# Altium PCB Copy of PCB.PcbDoc (part 2 of 3) (continued)
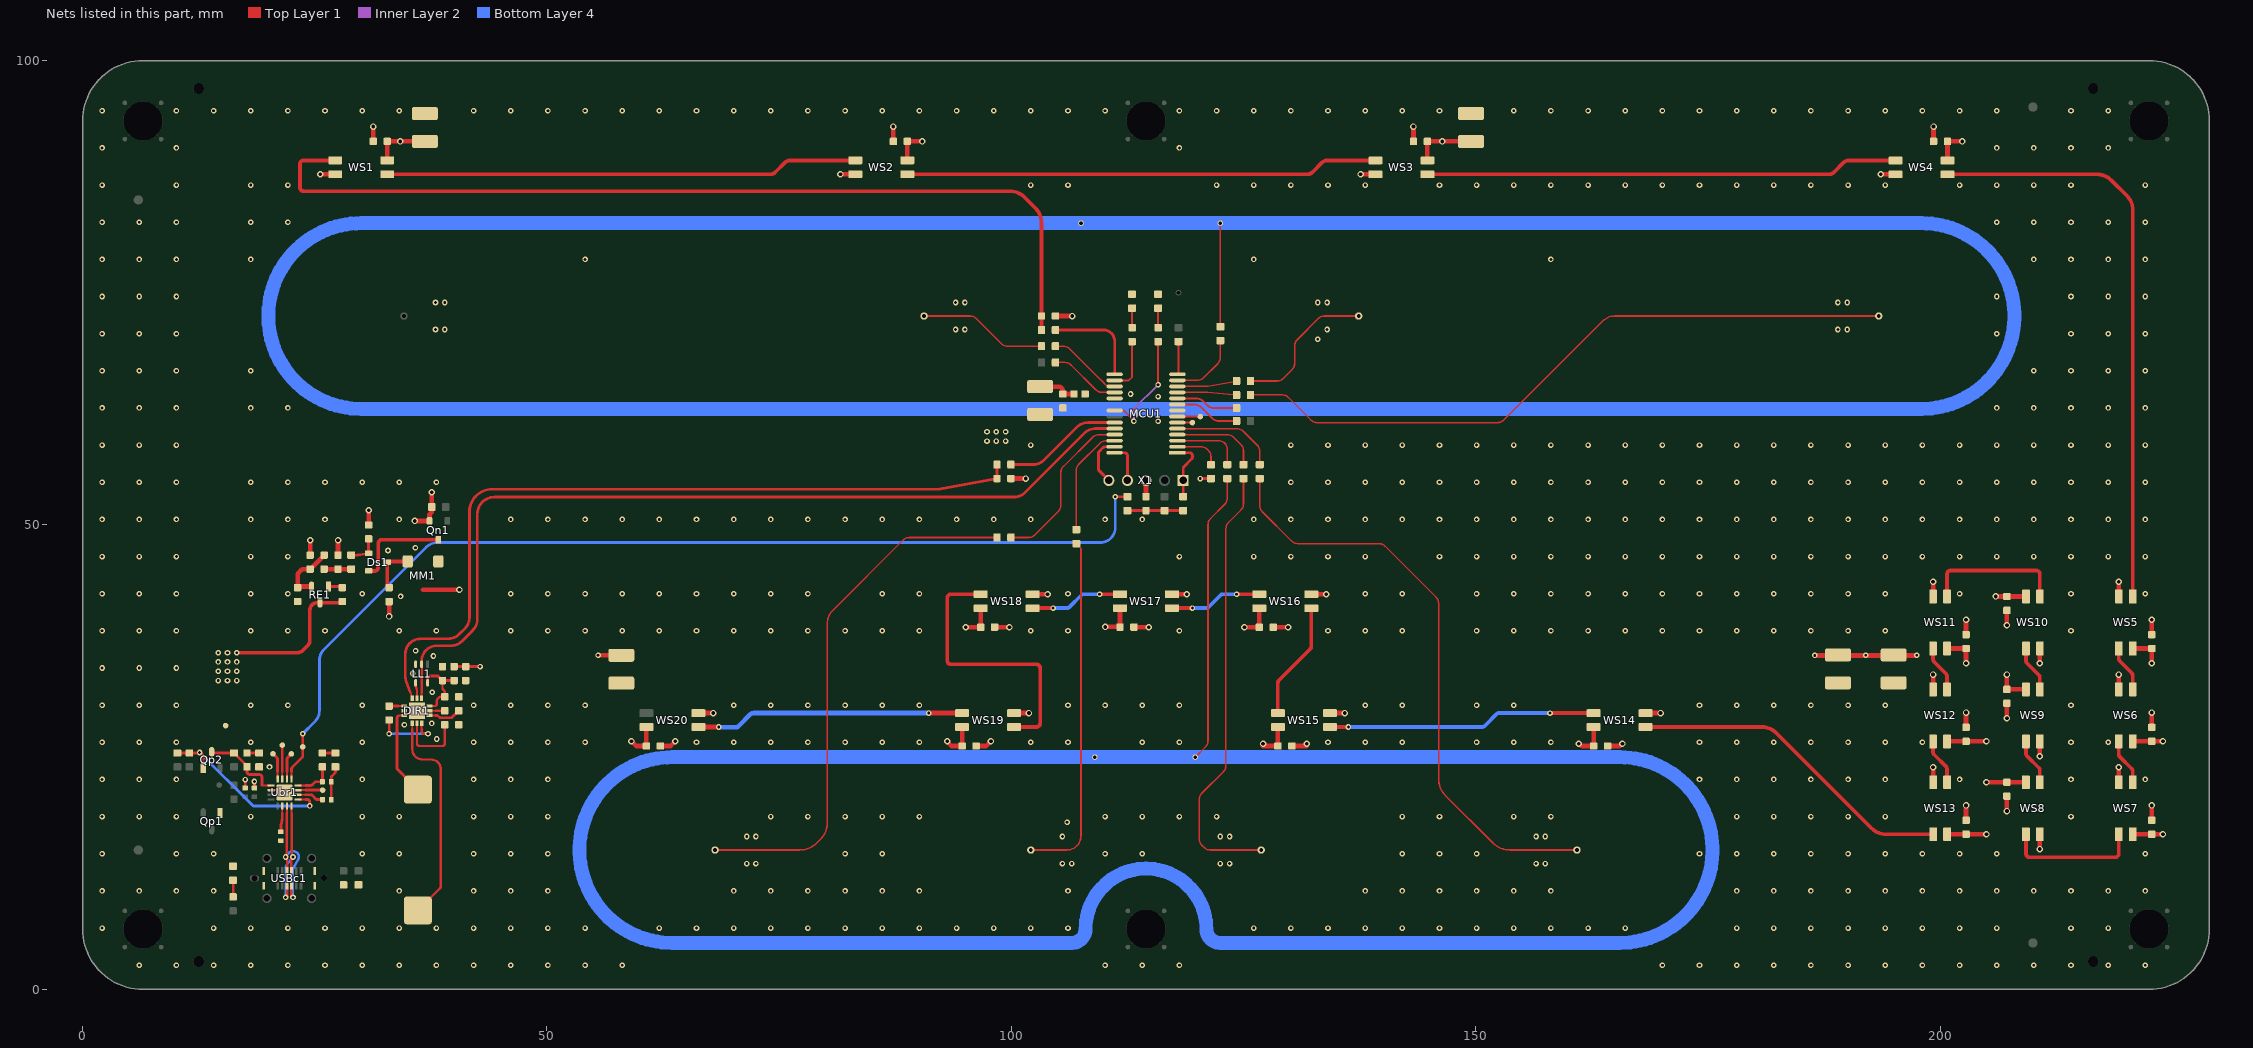
[diagram p4: the nets of this part, all layers, seen from the top]
## Nets (pads, with @x,y where several pads share a name; then routed paths per layer and width w, separated by ;. In a path a pad name is that pad's centre, name@x,y a point inside that pad or via, vN(x,y) a via of type N, cw(c..) or ccw(c..) an arc to the next point about the centre after c; other vN are vias at no path point) (continued)
  Bottom Layer 4 w0.266: v1(21.85,14.25) 22.149,14.637 cw(c22.65,14.25) 23.198,13.933 22.686,13.046 ccw(c22.916,12.913) 22.65,12.913 v1(22.65,9.9)
DA01: C23.2 R22.2 WS1.2 | length 99.9
  Top Layer 1 w0.4: WS1.2@27.2,89.25 23.8,89.25 ccw(c23.8,88.85) 23.4,88.85 23.4,86.344 ccw(c23.8,86.344) 23.8,85.944 99.845,85.944 cw(c99.845,83.744) 101.399,85.301 102.608,84.092 cw(c101.05,82.539) 103.25,82.539 103.25,72.7 R22.2@103.25,71
DA02: WS1.4 WS2.2 | length 51
  Top Layer 1 w0.4: WS1.4@32.8,87.75 74.019,87.75 ccw(c74.019,88.55) 74.583,87.983 75.617,89.017 cw(c76.181,88.45) 76.181,89.25 WS2.2@83.2,89.25
DA03: WS2.4 WS3.2 | length 51
  Top Layer 1 w0.4: WS2.4@88.8,87.75 131.855,87.75 ccw(c131.855,88.55) 132.419,87.983 133.453,89.017 cw(c134.017,88.45) 134.017,89.25 WS3.2@139.2,89.25
DA04: WS3.4 WS4.2 | length 51
  Top Layer 1 w0.4: WS3.4@144.8,87.75 188.019,87.75 ccw(c188.019,88.55) 188.583,87.983 189.617,89.017 cw(c190.181,88.45) 190.181,89.25 WS4.2@195.2,89.25
DA05: WS4.4 WS5.2 | length 63.5
  Top Layer 1 w0.4: WS4.4@200.8,87.75 216.912,87.75 cw(c216.912,85.55) 218.468,87.106 220.106,85.468 cw(c218.55,83.912) 220.75,83.912 WS5.2@220.75,42.3
DA06: WS5.4 WS6.2 | length 5
  Top Layer 1 w0.4: WS5.4@219.25,36.7 219.25,35.611 ccw(c219.65,35.611) 219.367,35.329 220.634,34.062 cw(c220.35,33.78) 220.75,33.78 WS6.2@220.75,32.3
DA07: WS6.4 WS7.2 | length 5
  Top Layer 1 w0.4: WS6.4@219.25,26.7 219.25,25.31 ccw(c219.65,25.31) 219.367,25.028 220.633,23.761 cw(c220.35,23.479) 220.75,23.479 WS7.2@220.75,22.3
DA08: WS7.4 WS8.2 | length 14.6
  Top Layer 1 w0.4: WS8.2@209.25,16.7 209.25,14.617 ccw(c209.65,14.617) 209.65,14.217 218.85,14.217 ccw(c218.85,14.617) 219.25,14.617 WS7.4@219.25,16.7
DA09: WS8.4 WS9.2 | length 5
  Top Layer 1 w0.4: WS9.2@209.25,26.7 209.25,25.407 ccw(c209.65,25.407) 209.367,25.124 210.633,23.858 cw(c210.35,23.575) 210.75,23.575 WS8.4@210.75,22.3
DA10: WS9.4 WS10.2 | length 5
  Top Layer 1 w0.4: WS10.2@209.25,36.7 209.25,35.39 ccw(c209.65,35.39) 209.367,35.107 210.633,33.841 cw(c210.35,33.558) 210.75,33.558 WS9.4@210.75,32.3
DA11: WS10.4 WS11.2 | length 15.3
  Top Layer 1 w0.4: WS11.2@200.75,42.3 200.75,44.7 cw(c201.15,44.7) 201.15,45.1 210.35,45.1 cw(c210.35,44.7) 210.75,44.7 WS10.4@210.75,42.3
DA12: WS11.4 WS12.2 | length 5
  Top Layer 1 w0.4: WS11.4@199.25,36.7 199.25,35.534 ccw(c199.65,35.534) 199.367,35.252 200.634,33.985 cw(c200.35,33.703) 200.75,33.703 WS12.2@200.75,32.3
DA13: WS12.4 WS13.2 | length 5
  Top Layer 1 w0.4: WS12.4@199.25,26.7 199.25,25.535 ccw(c199.65,25.535) 199.367,25.253 200.634,23.986 cw(c200.35,23.704) 200.75,23.704 WS13.2@200.75,22.3
DA14: WS13.4 WS14.2 | length 35.5
  Top Layer 1 w0.4: WS14.2@168.3,28.25 180.807,28.25 cw(c180.807,26.05) 182.362,27.606 192.624,17.344 ccw(c194.179,18.9) 194.179,16.7 WS13.4@199.25,16.7
DA15: WS14.4 WS15.2 | length 29
  Top Layer 1 w0.4: WS15.2@134.3,28.25 v1(136.3,28.25) ; v1(158,29.75) WS14.4@162.7,29.75
  Bottom Layer 4 w0.4: v1(136.3,28.25) 150.684,28.25 ccw(c150.684,28.65) 150.967,28.367 152.233,29.633 cw(c152.516,29.35) 152.516,29.75 v1(158,29.75)
DA16: WS15.4 WS16.2 | length 12.8
  Top Layer 1 w0.4: WS15.4@128.7,29.75 128.7,32.992 cw(c129.1,32.992) 128.817,33.274 132.183,36.641 ccw(c131.9,36.923) 132.3,36.923 WS16.2@132.3,41.05
DA17: WS16.4 WS17.2 | length 10
  Top Layer 1 w0.4: WS17.2@117.3,41.05 v1(119.5,41.05) ; v1(124.25,42.55) WS16.4@126.7,42.55
  Bottom Layer 4 w0.4: v1(119.5,41.05) 120.984,41.05 ccw(c120.984,41.45) 121.267,41.167 122.533,42.433 cw(c122.816,42.15) 122.816,42.55 v1(124.25,42.55)
DA18: WS17.4 WS18.2 | length 10
  Top Layer 1 w0.4: WS18.2@102.3,41.05 v1(104.5,41.05) ; v1(109.5,42.55) WS17.4@111.7,42.55
  Bottom Layer 4 w0.4: v1(104.5,41.05) 105.984,41.05 ccw(c105.984,41.45) 106.267,41.167 107.533,42.433 cw(c107.816,42.15) 107.816,42.55 v1(109.5,42.55)
DA19: WS18.4 WS19.2 | length 30
  Top Layer 1 w0.4: WS18.4@96.7,42.55 93.5,42.55 ccw(c93.5,42.15) 93.1,42.15 93.1,35.398 ccw(c93.5,35.4) 93.498,35 102.7,35 cw(c102.7,34.6) 103.1,34.6 103.1,28.65 cw(c102.7,28.65) 102.7,28.25 WS19.2@100.3,28.25
DA20: WS19.4 WS20.2 | length 29
  Top Layer 1 w0.5: WS20.2@66.3,28.25 v1(68.5,28.25) ; v1(91.1,29.75) WS19.4@94.7,29.75
  Bottom Layer 4 w0.5: v1(68.5,28.25) 70.314,28.227 70.315,28.227 ccw(c70.32,28.727) 70.673,28.373 71.904,29.604 cw(c72.257,29.25) 72.257,29.75 v1(91.1,29.75)
GATE: LD5.1 Qp2.1 R28.1 Ubr1.9 | length 20.2
  Top Layer 1 w0.2: Ubr1.9@23.2,20.45 24,20.45
  Top Layer 1 w0.3: R28.1@10.2,25.45 12.585,25.45 ccw(c12.585,25.75) v1@12.6,25.45 ; v1@12.712,25.45 12.898,25.264 cw(c12.685,25.052) 12.985,25.052 Qp2.1@12.985,23.823 ; 24,20.45 24.16,20.45 cw(c24.16,20.15) 24.46,20.152 v1(24.462,19.75)
  Bottom Layer 4 w0.3: v1(12.6,25.5) 18.263,19.837 ccw(c18.474,20.05) 18.474,19.75 19.5,19.75 24,19.75 v1(24.462,19.75)
GND: C1.1 C2.1 C3.1 C4.1 C5.2 C6.1 C7.1 C9.2 C10.1 C12.1 C13.1 C14.1 C15.1 C16.1 C17.1 C18.2 C19.2 C20.2 C21.2 C22.2 C23.1 C24.1 C25.1 C26.1 C27.1 C28.1 C29.1 C30.1 C31.1 C32.1 C33.1 C34.1 C35.1 C36.1 C37.1 C38.1 C39.1 C40.1 C41.1 C42.1 C43.1 C44.2 C45.2 C47.1 C48.1 DIR1.5 DIR1.13 LL1.3 MCU1.8 MCU1.19 MM1.3 Qn1.2 Qp1.1 R6.1 R14.1 R15.1 R21.1 R24.2 R26.1 R27.2 R29.1 R30.1 R31.2 RE1.1 Ubr1.2 Ubr1.17 USBc1.A1 USBc1.A12 USBc1.B1 USBc1.B12 WS1.1 WS2.1 WS3.1 WS4.1 WS5.1 WS6.1 WS7.1 WS8.1 WS9.1 WS10.1 WS11.1 WS12.1 WS13.1 WS14.1 WS15.1 WS16.1 WS17.1 WS18.1 WS19.1 WS20.1 X1.3 | length 94.3
  Top Layer 1 w0.2: Ubr1.2@20.3,21.45 21.5,21.45 Ubr1.17@21.75,21.2
  Top Layer 1 w0.3: C45.2@17.5,21.675 v1(17.5,22.588) ; C44.2@18.5,21.675 v1(18.5,22.375) ; RE1.1@26.486,43.379 27.837,43.379 C16.1@27.957,43.259 ; R27.2@26.775,20.435 26.775,22.773 cw(c27.075,22.773) 26.862,22.985 27.133,23.255 ccw(c26.92,23.467) 27.22,23.467 R26.1@27.22,23.95 ; v1(120.345,55) R6.1@121.5,55
  Top Layer 1 w0.5: C14.1@24.5,46.75 v2(24.5,48.35) ; v2(25.6,87.75) WS1.1@27.2,87.75 ; C13.1@27.5,46.75 v2(27.5,48.35) ; C12.1@30.8,50 v2(30.8,51.6) ; C24.1@31.3,91.3 v2(31.3,92.9) ; v2(33,40.15) C15.1@33,41.75 ; v2(35.75,50.435) Qn1.2@37.35,50.435 37.35,51.13 37.6,51.38 R21.1@37.6,51.925 v2(37.6,53.525) ; MM1.3@36.65,43.025 v2(40.576,43.025) ; C43.1@62.2,26.2 63.3,26.2 v2(63.8,26.7) ; WS20.1@66.3,29.75 v2(67.9,29.75) ; v2(81.6,87.75) WS2.1@83.2,87.75 ; C25.1@87.3,91.3 v2(87.3,92.9) ; C42.1@96.2,26.2 97.3,26.2 v2(97.8,26.7) ; C41.1@98.2,39 v2(99.8,39) ; C2.1@99.958,55 100.108,55 v2(101.55,55) ; WS19.1@100.3,29.75 v2(101.9,29.75) ; WS18.1@102.3,42.55 v2(103.9,42.55) ; C23.1@104.75,72.5 v2(106.55,72.5) ; C40.1@113.2,39 v2(114.8,39) ; C1.1@114.5,53.05 X1.3@114.5,54.8 ; WS17.1@117.3,42.55 v2(118.9,42.55) ; C39.1@128.2,39 v2(129.8,39) ; C38.1@130.2,26.2 v2@131.8,26.2 ; WS16.1@132.3,42.55 v2(133.9,42.55) ; WS15.1@134.3,29.75 v2(135.9,29.75) ; v2(137.6,87.75) WS3.1@139.2,87.75 ; C26.1@143.3,91.3 v2(143.3,92.9) ; C37.1@164.2,26.2 164.35,26.2 165.317,26.2 ccw(c165.317,26.883) v2@165.8,26.4 ; WS14.1@168.3,29.75 v2(169.9,29.75) ; v2(193.6,87.75) WS4.1@195.2,87.75 ; WS13.1@199.25,22.3 v2(199.25,23.9) ; WS12.1@199.25,32.3 v2(199.25,33.9) ; WS11.1@199.25,42.3 v2(199.25,43.9) ; C27.1@199.3,91.3 v2(199.3,92.9) ; C36.1@202.8,18.2 v2(202.8,19.8) ; C35.1@202.8,28.2 v2(202.8,29.8) ; C34.1@202.8,38.2 v2(202.8,39.8) ; v2(207.2,19.2) C31.1@207.2,20.8 ; v2(207.2,29.2) C32.1@207.2,30.8 ; v2(207.2,39.2) C33.1@207.2,40.8 ; v2(210.75,15.1) WS8.1@210.75,16.7 ; v2(210.75,25.1) WS9.1@210.75,26.7 ; v2(210.75,35.1) WS10.1@210.75,36.7 ; WS7.1@219.25,22.3 v2(219.25,23.9) ; WS6.1@219.25,32.3 v2(219.25,33.9) ; WS5.1@219.25,42.3 v2(219.25,43.9) ; C30.1@222.8,18.2 v2(222.8,19.8) ; C29.1@222.8,28.2 v2(222.8,29.8) ; C28.1@222.8,38.2 v2(222.8,39.8) ; v2@165.8,26.4 v2(165.8,26.45) v2@165.8,26.4
  other v1: 6.1,2.6 10.1,2.6 14.1,2.6 18.1,2.6 22.1,2.6 26.1,2.6 30.1,2.6 34.1,2.6 38.1,2.6 42.1,2.6 46.1,2.6 50.1,2.6 54.1,2.6 58.1,2.6 110.1,2.6 114.1,2.6 118.1,2.6 170.1,2.6 174.1,2.6 178.1,2.6 182.1,2.6 186.1,2.6 190.1,2.6 194.1,2.6 198.1,2.6 202.1,2.6 206.1,2.6 210.1,2.6 214.1,2.6 218.1,2.6 222.1,2.6 2.1,6.6 14.1,6.6 18.1,6.6 22.1,6.6 26.1,6.6 30.1,6.6 34.1,6.6 38.1,6.6 42.1,6.6 46.1,6.6 50.1,6.6 54.1,6.6 62.1,6.6 66.1,6.6 70.1,6.6 74.1,6.6 78.1,6.6 82.1,6.6 86.1,6.6 90.1,6.6 94.1,6.6 98.1,6.6 102.1,6.6 106.1,6.6 126.1,6.6 130.1,6.6 134.1,6.6 138.1,6.6 142.1,6.6 146.1,6.6 150.1,6.6 154.1,6.6 158.1,6.6 162.1,6.6 166.1,6.6 178.1,6.6 182.1,6.6 186.1,6.6 190.1,6.6 194.1,6.6 198.1,6.6 202.1,6.6 206.1,6.6 214.1,6.6 218.1,6.6 2.1,10.6 6.1,10.6 10.1,10.6 14.1,10.6 34.1,10.6 42.1,10.6 46.1,10.6 50.1,10.6 70.1,10.6 74.1,10.6 78.1,10.6 82.1,10.6 86.1,10.6 90.1,10.6 106.1,10.6 138.1,10.6 142.1,10.6 146.1,10.6 150.1,10.6 154.1,10.6 158.1,10.6 178.1,10.6 182.1,10.6 186.1,10.6 190.1,10.6 194.1,10.6 198.1,10.6 202.1,10.6 206.1,10.6 210.1,10.6 214.1,10.6 218.1,10.6 222.1,10.6 71.5,13.545 72.5,13.545 105.5,13.545 106.5,13.545 122.5,13.545 123.5,13.545 156.5,13.545 157.5,13.545 2.1,14.6 10.1,14.6 14.1,14.6 30.1,14.6 34.1,14.6 42.1,14.6 46.1,14.6 50.1,14.6 82.1,14.6 86.1,14.6 110.1,14.6 114.1,14.6 142.1,14.6 146.1,14.6 150.1,14.6 174.1,14.6 178.1,14.6 182.1,14.6 186.1,14.6 190.1,14.6 194.1,14.6 198.1,14.6 202.1,14.6 206.1,14.6 222.1,14.6 71.5,16.455 72.5,16.455 105.5,16.455 122.5,16.455 123.5,16.455 156.5,16.455 157.5,16.455 106,18 2.1,18.6 6.1,18.6 10.1,18.6 18.1,18.6 30.1,18.6 34.1,18.6 42.1,18.6 46.1,18.6 50.1,18.6 74.1,18.6 78.1,18.6 82.1,18.6 86.1,18.6 90.1,18.6 110.1,18.6 114.1,18.6 118.1,18.6 122.1,18.6 142.1,18.6 146.1,18.6 154.1,18.6 158.1,18.6 178.1,18.6 182.1,18.6 186.1,18.6 190.1,18.6 194.1,18.6 214.1,18.6 2.1,22.6 6.1,22.6 10.1,22.6 30.1,22.6 42.1,22.6 46.1,22.6 50.1,22.6 174.1,22.6 178.1,22.6 182.1,22.6 186.1,22.6 190.1,22.6 194.1,22.6 202.1,22.6 214.1,22.6 222.1,22.6 20.122,23.951 2.1,26.6 6.1,26.6 10.1,26.6 18.1,26.6 30.1,26.6 42.1,26.6 46.1,26.6 50.1,26.6 54.1,26.6 66.1,26.6 70.1,26.6 74.1,26.6 78.1,26.6 82.1,26.6 86.1,26.6 90.1,26.6 102.1,26.6 106.1,26.6 114.1,26.6 118.1,26.6 134.1,26.6 138.1,26.6 142.1,26.6 150.1,26.6 154.1,26.6 158.1,26.6 174.1,26.6 178.1,26.6 182.1,26.6 186.1,26.6 190.1,26.6 194.1,26.6 198.1,26.6 214.1,26.6 218.1,26.6 38.142,26.956 34.65,28.5 37.6,28.636 2.1,30.6 6.1,30.6 10.1,30.6 18.1,30.6 22.1,30.6 30.1,30.6 42.1,30.6 46.1,30.6 50.1,30.6 54.1,30.6 70.1,30.6 74.1,30.6 78.1,30.6 82.1,30.6 86.1,30.6 90.1,30.6 106.1,30.6 110.1,30.6 114.1,30.6 118.1,30.6 138.1,30.6 142.1,30.6 150.1,30.6 154.1,30.6 174.1,30.6 178.1,30.6 182.1,30.6 186.1,30.6 190.1,30.6 194.1,30.6 214.1,30.6 37.65,31.982 35.547,34.004 2.1,34.6 6.1,34.6 10.1,34.6 37.767,35.891 35.85,36.46 2.1,38.6 6.1,38.6 10.1,38.6 18.1,38.6 22.1,38.6 26.1,38.6 34.1,38.6 38.1,38.6 46.1,38.6 50.1,38.6 54.1,38.6 58.1,38.6 62.1,38.6 66.1,38.6 70.1,38.6 74.1,38.6 78.1,38.6 82.1,38.6 86.1,38.6 90.1,38.6 102.1,38.6 106.1,38.6 118.1,38.6 134.1,38.6 138.1,38.6 142.1,38.6 150.1,38.6 154.1,38.6 158.1,38.6 162.1,38.6 166.1,38.6 170.1,38.6 174.1,38.6 178.1,38.6 182.1,38.6 186.1,38.6 190.1,38.6 194.1,38.6 214.1,38.6 34.232,42.309 2.1,42.6 6.1,42.6 10.1,42.6 18.1,42.6 22.1,42.6 30.1,42.6 46.1,42.6 50.1,42.6 54.1,42.6 58.1,42.6 62.1,42.6 66.1,42.6 70.1,42.6 74.1,42.6 78.1,42.6 86.1,42.6 90.1,42.6 106.1,42.6 138.1,42.6 142.1,42.6 150.1,42.6 154.1,42.6 158.1,42.6 162.1,42.6 166.1,42.6 170.1,42.6 174.1,42.6 178.1,42.6 182.1,42.6 186.1,42.6 190.1,42.6 194.1,42.6 202.1,42.6 214.1,42.6 222.1,42.6 2.1,46.6 6.1,46.6 10.1,46.6 18.1,46.6 22.1,46.6 118.1,46.6 126.1,46.6 130.1,46.6 134.1,46.6 138.1,46.6 146.1,46.6 150.1,46.6 154.1,46.6 158.1,46.6 162.1,46.6 166.1,46.6 170.1,46.6 174.1,46.6 178.1,46.6 182.1,46.6 186.1,46.6 190.1,46.6 194.1,46.6 198.1,46.6 202.1,46.6 206.1,46.6 210.1,46.6 214.1,46.6 218.1,46.6 222.1,46.6 32.885,47.25 35.835,47.55 2.1,50.6 6.1,50.6 10.1,50.6 18.1,50.6 22.1,50.6 26.1,50.6 34.1,50.6 46.1,50.6 50.1,50.6 54.1,50.6 58.1,50.6 62.1,50.6 66.1,50.6 70.1,50.6 74.1,50.6 78.1,50.6 82.1,50.6 86.1,50.6 90.1,50.6 94.1,50.6 98.1,50.6 102.1,50.6 110.1,50.6 114.1,50.6 126.1,50.6 130.1,50.6 134.1,50.6 138.1,50.6 142.1,50.6 146.1,50.6 150.1,50.6 154.1,50.6 158.1,50.6 162.1,50.6 166.1,50.6 170.1,50.6 174.1,50.6 178.1,50.6 182.1,50.6 186.1,50.6 190.1,50.6 194.1,50.6 198.1,50.6 202.1,50.6 206.1,50.6 210.1,50.6 214.1,50.6 218.1,50.6 222.1,50.6 2.1,54.6 6.1,54.6 10.1,54.6 18.1,54.6 22.1,54.6 26.1,54.6 30.1,54.6 34.1,54.6 38.1,54.6 130.1,54.6 134.1,54.6 138.1,54.6 142.1,54.6 146.1,54.6 150.1,54.6 154.1,54.6 158.1,54.6 162.1,54.6 166.1,54.6 170.1,54.6 174.1,54.6 178.1,54.6 182.1,54.6 186.1,54.6 190.1,54.6 194.1,54.6 198.1,54.6 202.1,54.6 206.1,54.6 210.1,54.6 214.1,54.6 218.1,54.6 222.1,54.6 2.1,58.6 6.1,58.6 10.1,58.6 102.1,58.6 130.1,58.6 134.1,58.6 138.1,58.6 142.1,58.6 146.1,58.6 150.1,58.6 154.1,58.6 158.1,58.6 162.1,58.6 166.1,58.6 170.1,58.6 174.1,58.6 178.1,58.6 182.1,58.6 186.1,58.6 190.1,58.6 194.1,58.6 198.1,58.6 202.1,58.6 206.1,58.6 210.1,58.6 214.1,58.6 218.1,58.6 222.1,58.6 115.8,61.172 2.1,62.6 6.1,62.6 10.1,62.6 18.1,62.6 22.1,62.6 206.1,62.6 210.1,62.6 214.1,62.6 218.1,62.6 222.1,62.6 115.8,63.82 112.835,64.1 2.1,66.6 6.1,66.6 10.1,66.6 18.1,66.6 210.1,66.6 214.1,66.6 218.1,66.6 222.1,66.6 133,70 2.1,70.6 6.1,70.6 10.1,70.6 206.1,70.6 214.1,70.6 218.1,70.6 222.1,70.6 38,71.045 39,71.045 94,71.045 95,71.045 134,71.045 189,71.045 190,71.045 38,73.955 39,73.955 94,73.955 95,73.955 133,73.955 134,73.955 189,73.955 190,73.955 2.1,74.6 6.1,74.6 10.1,74.6 206.1,74.6 214.1,74.6 218.1,74.6 222.1,74.6 2.1,78.6 6.1,78.6 10.1,78.6 18.1,78.6 54.1,78.6 126.1,78.6 158.1,78.6 210.1,78.6 214.1,78.6 218.1,78.6 222.1,78.6 2.1,82.6 6.1,82.6 10.1,82.6 18.1,82.6 22.1,82.6 206.1,82.6 210.1,82.6 214.1,82.6 218.1,82.6 222.1,82.6 2.1,86.6 10.1,86.6 18.1,86.6 22.1,86.6 102.1,86.6 106.1,86.6 122.1,86.6 126.1,86.6 130.1,86.6 134.1,86.6 138.1,86.6 146.1,86.6 150.1,86.6 154.1,86.6 158.1,86.6 162.1,86.6 166.1,86.6 170.1,86.6 174.1,86.6 178.1,86.6 182.1,86.6 186.1,86.6 190.1,86.6 194.1,86.6 202.1,86.6 206.1,86.6 210.1,86.6 214.1,86.6 222.1,86.6 2.1,90.6 10.1,90.6 118.1,90.6 206.1,90.6 210.1,90.6 214.1,90.6 218.1,90.6 2.1,94.6 10.1,94.6 14.1,94.6 18.1,94.6 22.1,94.6 26.1,94.6 30.1,94.6 34.1,94.6 42.1,94.6 46.1,94.6 50.1,94.6 54.1,94.6 58.1,94.6 62.1,94.6 66.1,94.6 70.1,94.6 74.1,94.6 78.1,94.6 82.1,94.6 86.1,94.6 90.1,94.6 94.1,94.6 98.1,94.6 102.1,94.6 106.1,94.6 110.1,94.6 118.1,94.6 122.1,94.6 126.1,94.6 130.1,94.6 134.1,94.6 138.1,94.6 142.1,94.6 146.1,94.6 154.1,94.6 158.1,94.6 162.1,94.6 166.1,94.6 170.1,94.6 174.1,94.6 178.1,94.6 182.1,94.6 186.1,94.6 190.1,94.6 194.1,94.6 198.1,94.6 202.1,94.6 206.1,94.6 214.1,94.6 218.1,94.6
  other v2: 131.8,26.45
ICSPCLK: MCU1.27 X1.5 | length 5.5
  Top Layer 1 w0.3: X1.5@110.5,54.8 109.462,55.838 cw(c109.675,56.049) 109.375,56.049 109.375,57.7 cw(c109.675,57.7) 109.462,57.911 109.889,58.338 cw(c110.1,58.125) 110.1,58.425 MCU1.27@111.125,58.425
ICSPDAT: MCU1.28 X1.4 | length 4.2
  Top Layer 1 w0.3: MCU1.28@111.125,57.775 112.2,57.775 cw(c112.2,57.475) 112.5,57.475 X1.4@112.5,54.8
L0: R4.1 TSE6.1 | length 37.9
  Top Layer 1 w0.17: TSE6.1@102.1,15 105.969,15 ccw(c105.969,16.531) 107.5,16.531 107.5,47.43 ccw(c107.33,47.43) 107.451,47.549 107.28,47.72 R4.1@107,48
L1: R8.1 TSE7.1 | length 47.9
  Top Layer 1 w0.17: R8.1@125,55 125,52.279 cw(c124.065,52.279) 124.727,51.619 123.381,50.272 ccw(c124.043,49.612) 123.108,49.612 123.108,24.09 cw(c122.173,24.09) 122.835,23.43 120.516,21.11 ccw(c121.178,20.45) 120.243,20.45 120.243,16.181 ccw(c121.178,16.181) 120.516,15.521 120.764,15.273 ccw(c121.424,15.935) 121.424,15 TSE7.1@126.9,15
LED1: LD2.2 MCU1.21 | length 12.2
  Top Layer 1 w0.2: MCU1.21@111.125,62.325 112.105,62.325 113.2,61.23 v1(113.2,61.172) ; v1(115.8,65.1) LD2.2@115.8,69.75
  Inner Layer 2 w0.2: v1(113.2,61.172) 113.2,62.5 v1(115.8,65.1)
LED2: LD1.2 MCU1.16 | length 5.8
  Top Layer 1 w0.2: MCU1.16@111.125,65.575 112.64,65.575 113,65.935 LD1.2@113,69.75
LED_DATA: MCU1.15 R22.1 | length 10.6
  Top Layer 1 w0.3: R22.1@104.75,71 105,71 109.925,71 109.926,71 cw(c109.922,69.797) 111.125,69.797 MCU1.15@111.125,66.225
MODE: R9.2 TSE8.1 | length 64.2
  Top Layer 1 w0.17: R9.2@126.75,55 126.75,52.087 ccw(c127.685,52.087) 127.023,51.427 130.178,48.272 ccw(c130.837,48.935) 130.835,48 139.573,48 cw(c139.573,47.065) 140.233,47.727 145.727,42.233 cw(c145.065,41.573) 146,41.573 146,22.691 ccw(c148.635,22.691) 146.773,20.827 151.83,15.77 ccw(c153.691,17.635) 153.691,15 TSE8.1@160.9,15
ModeSOUND: DIR1.1 LL1.2 MCU1.24 | length 96.3
  Top Layer 1 w0.2: DIR1.1@36.5,31.35 36.5,31.523 36.5,32
  Top Layer 1 w0.254: 36.5,32 36.5,34.75 LL1.2@36.5,35
  Top Layer 1 w0.3: LL1.2@36.5,35 36.5,35.35 cw(c38.15,35.35) 38.15,37 39.667,37 ccw(c39.667,38.65) 40.833,37.483 42.017,38.667 ccw(c40.85,39.833) 42.5,39.832 42.5,51.167 cw(c44.15,51.167) 42.5,51.185 cw(c44.336,51.164) 44.336,53 100.299,53 ccw(c100.299,54.65) 101.465,53.483 107.875,59.892 cw(c109.041,58.725) 109.041,60.375 MCU1.24@111.125,60.375
NetC6_2: C6.2 C10.2 DIR1.12 FB2.1 LL1.5 | length 7.8
  Top Layer 1 w0.2: DIR1.12@37.35,30.5 37.896,30.5 ccw(c37.896,30.754) 38,30.522
  Top Layer 1 w0.254: 38,30.522 ccw(c37.896,30.754) 38.15,30.754 38.15,31.095 cw(c38.404,31.095) 38.224,31.274 38.376,31.426 cw(c38.555,31.246) 38.555,31.5 C6.2@39,31.5 39,31.982 ccw(c38.746,31.982) 38.926,32.161 38.824,32.263 cw(c39.004,32.443) 38.75,32.443 C10.2@38.75,33.25
  Top Layer 1 w0.3: LL1.5@37.15,33 37.15,33.44 cw(c37.45,33.44) 37.45,33.74 38.136,33.74 cw(c38.136,33.44) 38.348,33.652 38.5,33.5 C10.2@38.75,33.25 FB2.1@40,33.25
NetC8_1: C8.1 DIR1.11 | length 1.7
  Top Layer 1 w0.2: DIR1.11@37.35,30 38,30
  Top Layer 1 w0.254: 38,30 C8.1@39,30
NetC8_2: C8.2 DIR1.8 | length 7.5
  Top Layer 1 w0.2: 36,28 DIR1.8@36,28.65
  Top Layer 1 w0.254: 36,28 36,26.454 ccw(c36.254,26.454) 36.254,26.2 38.746,26.2 ccw(c38.746,26.454) 39,26.454 C8.2@39,28.5
NetC9_1: C9.1 DIR1.10 | length 3.6
  Top Layer 1 w0.2: DIR1.10@37.35,29.5 38,29.5
  Top Layer 1 w0.3: 38,29.5 38.224,29.5 38.474,29.25 39.75,29.25 C9.1@40.5,30
NetC11_1: C11.1 DIR1.4 | length 1.6
  Top Layer 1 w0.2: 34,30.5 DIR1.4@34.65,30.5
  Top Layer 1 w0.3: C11.1@33,30.5 34,30.5
NetC11_2: C11.2 DIR1.9 | length 7.4
  Top Layer 1 w0.2: 36.506,28 DIR1.9@36.506,28.65
  Top Layer 1 w0.254: v1(33,27.519) C11.2@33,29 ; 36.506,28 36.506,27.773 ccw(c36.76,27.773) 36.76,27.519 v1(37.186,27.519)
  Bottom Layer 4 w0.254: v1(33,27.519) v1(37.186,27.519)
NetC12_2: C12.2 Ds1.1 R20.1 | length 3.4
  Top Layer 1 w0.3: R20.1@28.92,46.75 29.576,46.75 ccw(c29.576,47.05) 29.624,46.754 30.54,46.904 Ds1.1@30.79,46.95 30.79,48.25 C12.2@30.8,48.5
NetC13_2: C13.2 FB3.1 R20.2 | length 2.9
  Top Layer 1 w0.5: FB3.1@26,45.25 R20.2@28.92,45.25
NetC15_2: C15.2 Ds1.3 MM1.1 | length 5
  Top Layer 1 w0.4: C15.2@33,43.25 32.81,43.44 Ds1.3@32.81,46 32.885,46.075 MM1.1@35,46.075
NetC46_1: C46.1 R29.2 | length 1.8
  Top Layer 1 w0.266: C46.1@16.2,9.95 R29.2@16.2,11.75
NetC48_2: C48.2 Ubr1.6 | length 2.8
  Top Layer 1 w0.2: 21.5,18.95 Ubr1.6@21.5,19.75
  Top Layer 1 w0.3: C48.2@21.35,16.967 21.35,17.624 cw(c21.65,17.624) 21.357,17.688 21.481,18.253 ccw(c20.7,18.425) 21.5,18.425 21.5,18.95
NetDIR1_2: DIR1.2 LL1.4 | length 1.7
  Top Layer 1 w0.2: DIR1.2@36,31.35 36,32
  Top Layer 1 w0.254: LL1.4@35.85,33 35.85,32.75 35.988,32.308 cw(c35.746,32.232) 36,32.232 36,32
NetDIR1_6: DIR1.6 PBZ1.2 | length 9.6
  Top Layer 1 w0.2: 34,29.456 cw(c34.146,29.194) 34.146,29.494 DIR1.6@34.65,29.494
  Top Layer 1 w0.3: 34,29.456 ccw(c34.146,29.194) 33.846,29.194 33.846,23.879 ccw(c34.146,23.879) 33.933,23.667 34.9,22.7 PBZ1.2@36.1,21.5
NetDIR1_7: DIR1.7 PBZ1.1 | length 23.3
  Top Layer 1 w0.2: 35.5,28 35.5,28.477 DIR1.7@35.5,28.65
  Top Layer 1 w0.254: 35.5,28 35.5,25.835 ccw(c36.587,25.837) 36.587,24.75 36.588,24.75 37.511,24.75 cw(c37.512,23.688) 38.574,23.688 38.574,11.079 cw(c38.32,11.079) 38.499,10.899 PBZ1.1@36.1,8.5
NetDs1_2: Ds1.2 MM1.2 Qn1.3 | length 10.5
  Top Layer 1 w0.4: Ds1.2@30.8,45.05 31.428,45.05 ccw(c31.428,45.45) 31.828,45.45 31.828,48.015 cw(c32.228,48.015) 32.228,48.415 Qn1.3@38.3,48.415
NetLD1_1: LD1.1 R14.2 | length 2.1
  Top Layer 1 w0.2: LD1.1@113,71.25 R14.2@113,73.35
NetLD2_1: LD2.1 R15.2 | length 2.1
  Top Layer 1 w0.2: LD2.1@115.8,71.25 R15.2@115.8,73.35
NetLD3_1: LD3.1 R26.2 | length 1.4
  Top Layer 1 w0.3: LD3.1@25.825,25.45 R26.2@27.22,25.45
NetLD3_2: LD3.2 R24.1 Ubr1.12 | length 4.4
  Top Layer 1 w0.2: Ubr1.12@23.2,21.95 24,21.95
  Top Layer 1 w0.3: 24,21.95 24.532,21.95 ccw(c24.531,22.25) 24.743,22.037 24.968,22.263 cw(c25.18,22.05) 25.18,22.35 R24.1@25.825,22.35 LD3.2@25.825,23.95
NetLD4_1: LD4.1 R30.2 | length 1.3
  Top Layer 1 w0.3: LD4.1@17.7,25.45 R30.2@19,25.45
NetMCU1_2: MCU1.2 R6.2 | length 5.1
  Top Layer 1 w0.17: MCU1.2@117.875,58.425 120.423,58.425 cw(c120.423,57.49) 121.083,58.152 121.227,58.008 cw(c120.565,57.348) 121.5,57.348 121.5,56.78 R6.2@121.5,56.5
NetMCU1_3: MCU1.3 R7.2 | length 7.5
  Top Layer 1 w0.17: MCU1.3@117.875,59.075 122.315,59.075 cw(c122.315,58.14) 123.25,58.14 R7.2@123.25,56.5
NetMCU1_4: MCU1.4 R8.2 | length 9.5
  Top Layer 1 w0.17: MCU1.4@117.875,59.725 123.263,59.725 cw(c123.263,58.79) 123.923,59.452 124.727,58.648 cw(c124.065,57.988) 125,57.988 125,56.78 R8.2@125,56.5
NetMCU1_5: MCU1.5 R9.1 | length 11.5
  Top Layer 1 w0.17: MCU1.5@117.875,60.375 124.298,60.375 cw(c124.298,59.44) 124.958,60.102 126.477,58.583 cw(c125.815,57.923) 126.75,57.923 R9.1@126.75,56.5
NetMCU1_6: MCU1.6 TP1.1 | length 1.6
  Top Layer 1 w0.2: MCU1.6@117.875,61.025 TP1.1@119.5,61.025
NetMCU1_7: MCU1.7 TP2.1 | length 2.5
  Top Layer 1 w0.2: MCU1.7@117.875,61.675 TP2.1@120.345,61.675
NetMCU1_9: MCU1.9 R10.2 | length 7
  Top Layer 1 w0.2: MCU1.9@117.875,62.975 119.678,62.975 cw(c119.678,61.875) 120.454,62.654 121.587,61.521 ccw(c122.364,62.3) 122.364,61.2 R10.2@124.25,61.2
NetMCU1_10: MCU1.10 R11.2 | length 6.7
  Top Layer 1 w0.2: MCU1.10@117.875,63.625 119.902,63.625 cw(c119.902,62.525) 120.679,63.304 121.06,62.922 ccw(c121.838,63.7) 121.838,62.6 R11.2@124.25,62.6
NetMCU1_11: MCU1.11 R12.1 | length 6.4
  Top Layer 1 w0.17: MCU1.11@117.875,64.275 121.038,64.275 cw(c121.038,63.34) 121.118,64.272 123.97,64.027 R12.1@124.25,64
NetMCU1_12: MCU1.12 R16.1 | length 6.4
  Top Layer 1 w0.17: MCU1.12@117.875,64.925 121.038,64.925 ccw(c121.038,65.86) 121.205,64.94 123.97,65.443 R16.1@124.25,65.5
NetMCU1_13: MCU1.13 R18.1 | length 7.6
  Top Layer 1 w0.17: MCU1.13@117.875,65.575 120.044,65.575 ccw(c120.044,66.51) 120.704,65.848 122.227,67.371 ccw(c121.565,68.031) 122.5,68.031 R18.1@122.5,69.85
NetMCU1_14: MCU1.14 R19.2 | length 3.6
  Top Layer 1 w0.17: MCU1.14@117.875,66.225 118,66.35 R19.2@118,69.75
NetMCU1_17: MCU1.17 R17.1 | length 8.1
  Top Layer 1 w0.17: R17.1@104.75,69.25 105.613,69.25 cw(c105.613,68.315) 106.273,68.977 109.102,66.148 ; 109.103,66.147 110.051,65.199 ccw(c110.712,65.86) 110.235,65.056 110.456,64.925 MCU1.17@111.125,64.925
NetMCU1_18: MCU1.18 R13.1 | length 7.6
  Top Layer 1 w0.17: R13.1@104.75,67.5 105.03,67.5 105.763,67.5 cw(c105.763,66.565) 106.423,67.227 109.103,64.547 ccw(c109.762,65.21) 109.762,64.275 MCU1.18@111.125,64.275
NetMCU1_23: MCU1.23 R3.1 | length 12.9
  Top Layer 1 w0.3: R3.1@99.958,56.5 102.349,56.5 ccw(c102.349,58.15) 103.515,56.983 107.075,60.542 cw(c108.241,59.375) 108.241,61.025 MCU1.23@111.125,61.025
NetMCU1_25: MCU1.25 R5.2 | length 18.1
  Top Layer 1 w0.17: R5.2@99.958,48.65 101.863,48.65 ccw(c101.863,49.585) 102.523,48.923 105.062,51.462 ccw(c104.4,52.122) 105.335,52.122 105.335,55.648 cw(c106.27,55.648) 105.608,56.308 108.752,59.452 cw(c109.412,58.79) 109.412,59.725 MCU1.25@111.125,59.725
NetMCU1_26: MCU1.26 R4.2 | length 12
  Top Layer 1 w0.17: R4.2@107,49.5 107,55.869 cw(c107.935,55.869) 107.273,56.529 109.546,58.802 cw(c110.206,58.14) 110.206,59.075 MCU1.26@111.125,59.075
NetR23_1: R23.1 TP3.1 Ubr1.13 | length 110.7
  Top Layer 1 w0.2: Ubr1.13@22.5,22.65 22.5,23.45
  Top Layer 1 w0.3: 22.5,23.45 22.5,23.713 cw(c22.8,23.713) 22.588,23.925 23.612,24.948 ccw(c23.399,25.161) 23.699,25.159 23.7,25.26 TP3.1@23.7,26.1 v1(23.7,27.519) ; v1(111.2,53.05) R23.1@112.5,53.05
  Bottom Layer 4 w0.3: v1(23.7,27.519) 25.017,28.837 ccw(c23.85,30.003) 25.5,30.003 25.5,35.424 cw(c27.15,35.424) 25.983,36.59 37.01,47.617 cw(c38.176,46.45) 38.176,48.1 109.55,48.1 ccw(c109.55,49.75) 111.2,49.75 v1(111.2,53.05)
NetR27_1: R27.1 Ubr1.10 | length 2.8
  Top Layer 1 w0.2: Ubr1.10@23.2,20.95 24,20.95
  Top Layer 1 w0.3: 24,20.95 24.526,20.95 cw(c24.526,20.65) 24.737,20.863 25.078,20.522 ccw(c25.289,20.735) 25.289,20.435 R27.1@25.825,20.435
NetTP4_1: TP4.1 Ubr1.16 | length 2.9
  Top Layer 1 w0.2: 20.985,23.45 20.985,22.665 Ubr1.16@21,22.65
  Top Layer 1 w0.3: TP4.1@20.5,25.35 20.898,24.952 cw(c20.685,24.741) 20.985,24.741 20.985,23.45
NetTP5_1: TP5.1 Ubr1.15 | length 3.7
  Top Layer 1 w0.2: Ubr1.15@21.5,22.65 21.5,23.45
  Top Layer 1 w0.3: 21.5,23.45 TP5.1@21.5,26.3
NetTP6_1: TP6.1 Ubr1.14 | length 2.9
  Top Layer 1 w0.2: Ubr1.14@21.999,22.65 21.999,23.128 22,23.129 22,23.45
  Top Layer 1 w0.3: 22,23.45 22,24.743 cw(c22.3,24.743) 22.087,24.954 TP6.1@22.483,25.35
NetTP9_1: TP9.1 Ubr1.11 | length 2.6
  Top Layer 1 w0.2: Ubr1.11@23.2,21.45 24,21.45
  Top Layer 1 w0.3: 24,21.45 TP9.1@25.844,21.45
nMCLR: C1.2 R1.1 R2.1 R23.2 | length 6
  Top Layer 1 w0.3: R23.2@112.5,51.55 C1.2@114.425,51.55 ; C1.2@114.5,51.55 R1.1@116.5,51.55 R2.1@118.5,51.55 ; R2.1@118.5,51.625 R2.1@118.55,51.625
NO: R12.2 TSE4.1 | length 73.4
  Top Layer 1 w0.17: R12.2@125.75,64 129.178,64 cw(c129.178,63.065) 129.838,63.727 132.267,61.298 ccw(c132.927,61.96) 132.927,61.025 152.362,61.025 ccw(c152.362,61.96) 153.022,61.298 163.703,71.978 cw(c164.964,70.715) 164.964,72.5 TSE4.1@193.4,72.5
ON_OFF: R5.1 TSE5.1 | length 57.6
  Top Layer 1 w0.17: TSE5.1@68.1,15 77.209,15 ccw(c77.209,17.635) 79.07,15.77 79.43,16.13 ccw(c77.565,17.991) 80.2,17.991 80.2,39.512 cw(c81.941,39.509) 80.708,40.738 88.347,48.377 cw(c89.007,47.715) 89.007,48.65 R5.1@98.458,48.65
OR: R17.2 TSE2.1 | length 13.9
  Top Layer 1 w0.17: TSE2.1@90.6,72.5 95.571,72.5 cw(c95.571,71.565) 96.231,72.227 98.935,69.523 ccw(c99.595,70.185) 99.595,69.25 R17.2@103.25,69.25
PS1: PSE3.1 PSE4.1 R7.1 | length 307.3
  Top Layer 1 w0.17: PSE4.1@119.8,25 120.905,26.105 ccw(c120.243,26.766) 121.178,26.766 121.178,50.038 cw(c122.113,50.038) 121.451,50.698 122.977,52.225 ccw(c122.315,52.885) 123.25,52.885 R7.1@123.25,55
  Bottom Layer 4 w1.5: 63.493,5 cw(c63.493,15) 63.493,25 PSE3.1@108.993,25 PSE4.1@119.8,25 165.5,25 cw(c165.5,15) 165.5,5 122.497,5 cw(c122.5,6.5) 121,6.496 121,6.5 ccw(c114.5,6.5) 108,6.5 cw(c106.5,6.5) 106.5,5 63.5,5
PS2: PSE1.1 PSE2.1 R18.2 | length 410.1
  Top Layer 1 w0.17: R18.2@122.5,71.35 PSE1.1@122.5,82.5
  Bottom Layer 4 w1.5: 115,82.5 120,82.5 PSE1.1@122.5,82.5 125,82.5 198,82.5 cw(c198,72.5) 198,62.5 115,62.5 30,62.5 cw(c30,72.5) 30,82.5 PSE2.1@107.5,82.5 115.091,82.5